# KiCad board AmigaPCI Mainboard.kicad_pcb (continued)
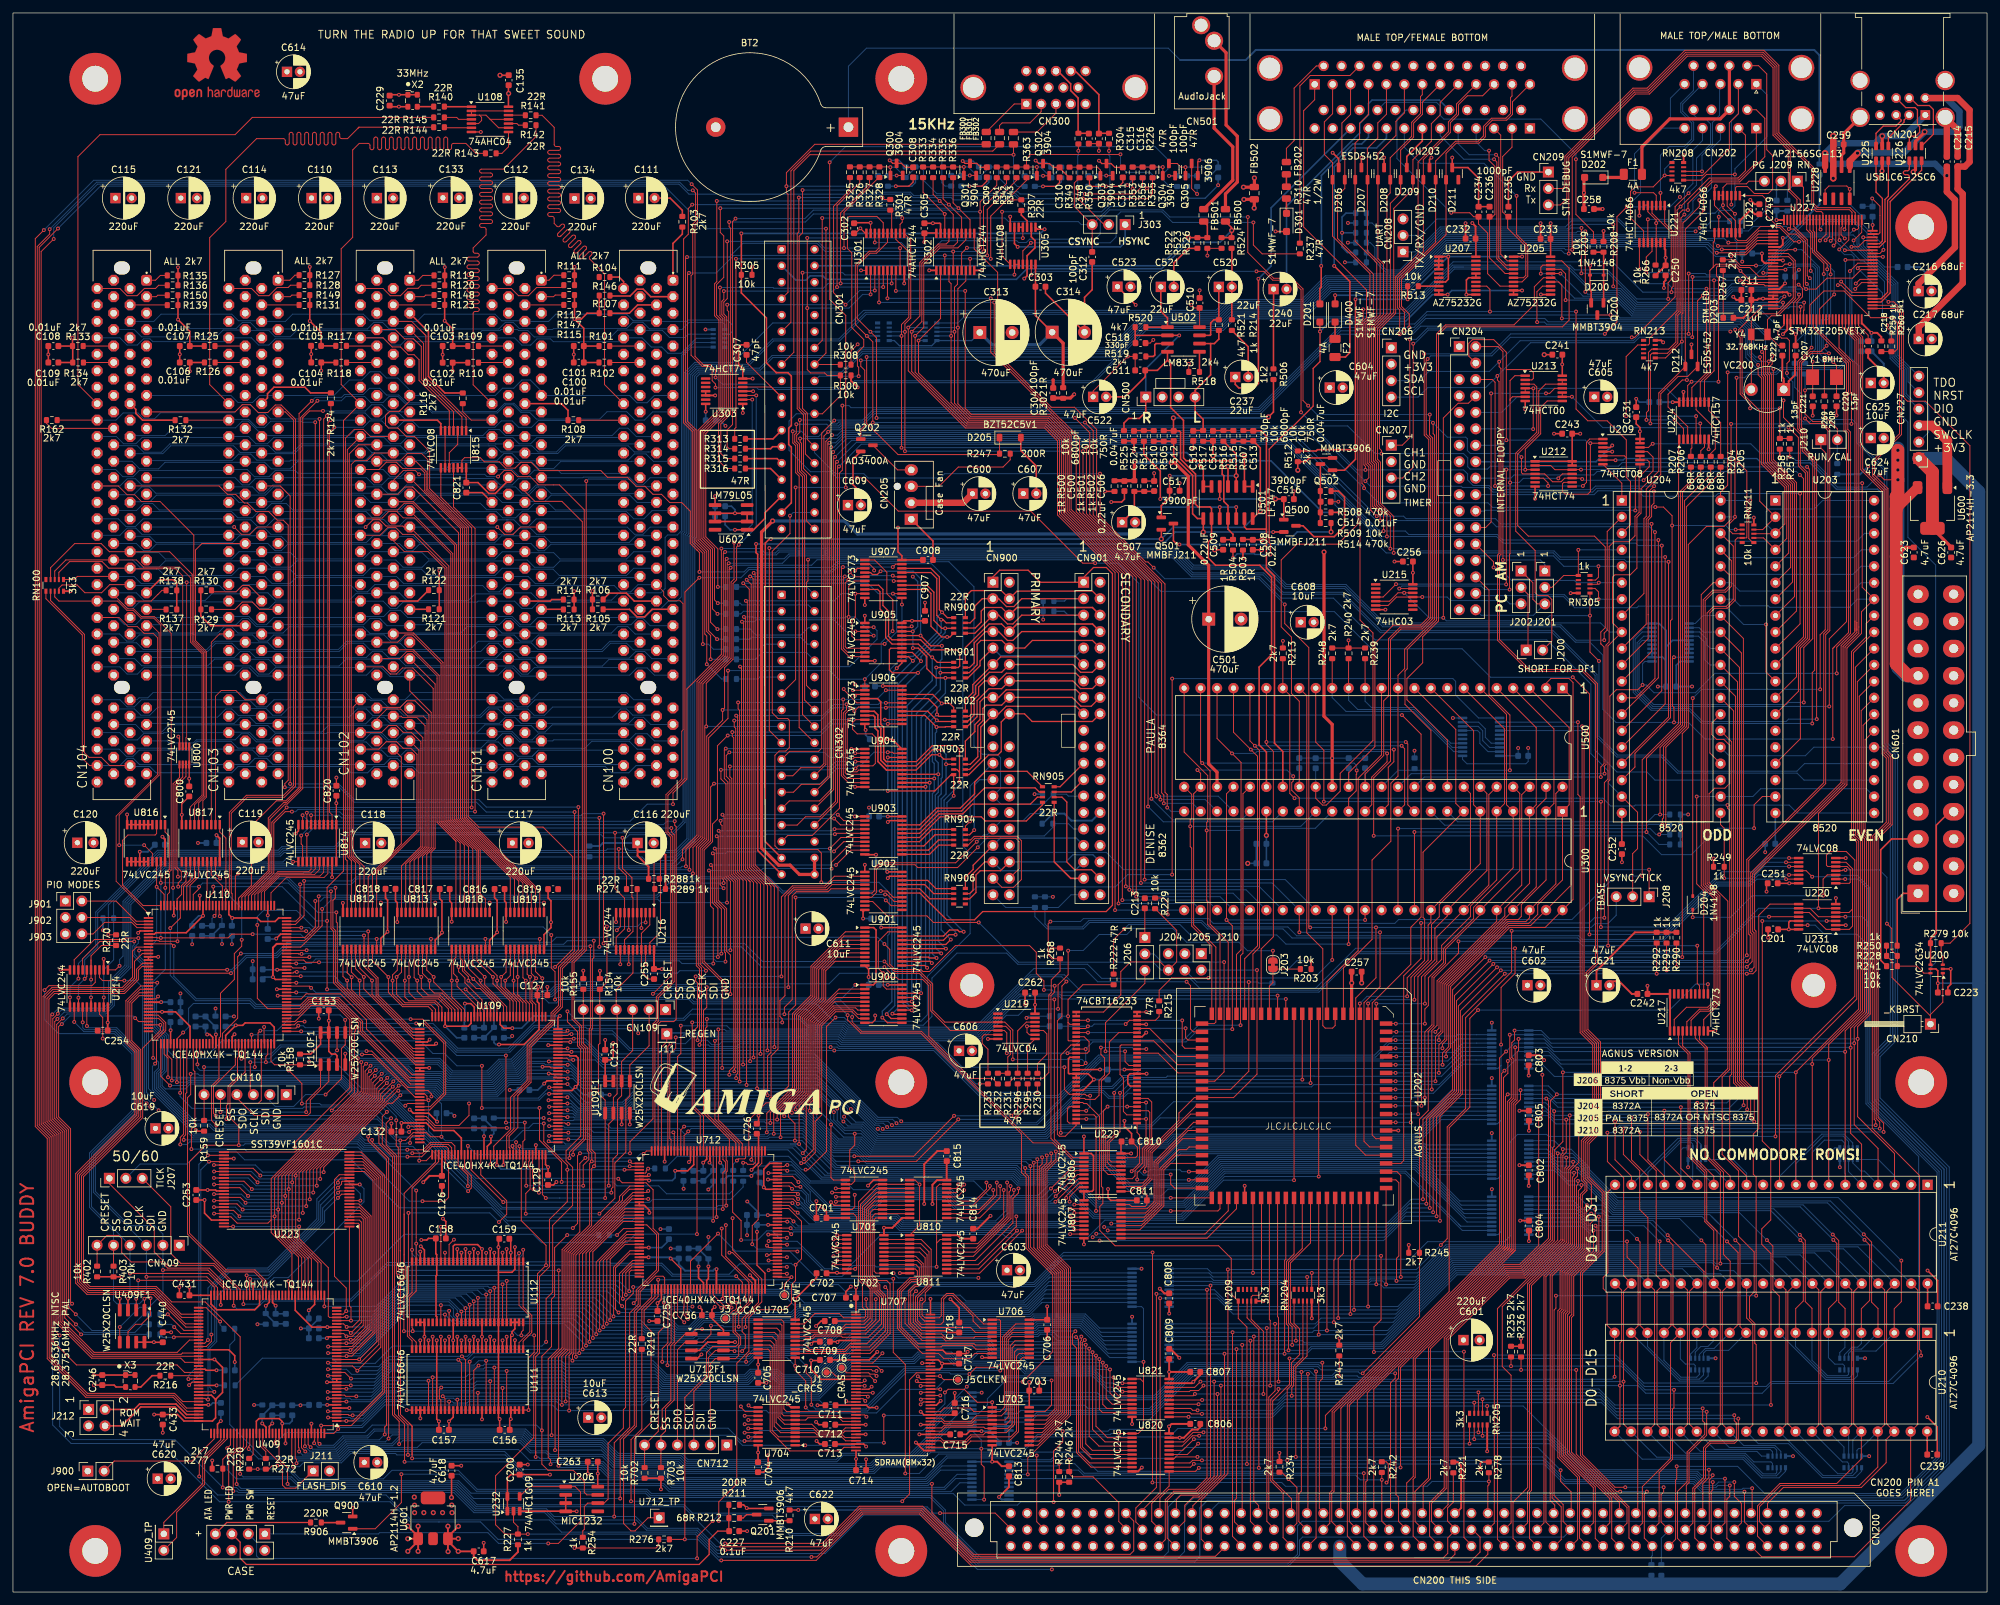
[diagram p0: board, top side]
## Nets (continued)
/ATA Interface/INTRQP: CN900.31 R901.1 U902.6
/ATA Interface/INTRQS: CN901.31 R902.1 U902.7
/ATA Interface/IRDY: CN900.27 CN901.27 R900.2 U815.12 U815.13
/Audio/_CIPLS0: U208.9 U208.17
/Audio/_CIPLS1: U208.8 U208.18
/Audio/_CIPLS2: U208.7 U208.19
/Audio/AUDLEFT: C513.2 R507.2 U500.31 U501.13
/Audio/AUDRIGHT: C512.2 R505.2 R506.2 U500.30 U501.9
/Chip Memory/LDB0: U704.9 U705.11 U707.31
/Chip Memory/LDB1: U704.8 U705.12 U707.33
/Chip Memory/LDB2: U704.7 U705.13 U707.34
/Chip Memory/LDB3: U704.6 U705.14 U707.36
/Chip Memory/LDB4: U704.5 U705.15 U707.37
/Chip Memory/LDB5: U704.4 U705.16 U707.39
/Chip Memory/LDB6: U704.3 U705.17 U707.40
/Chip Memory/LDB7: U704.2 U705.18 U707.42
/Chip Memory/LDB8: U703.2 U706.18 U707.56
/Chip Memory/LDB9: U703.3 U706.17 U707.54
/Chip Memory/LDB10: U703.4 U706.16 U707.53
/Chip Memory/LDB11: U703.5 U706.15 U707.51
/Chip Memory/LDB12: U703.6 U706.14 U707.50
/Chip Memory/LDB13: U703.7 U706.13 U707.48
/Chip Memory/LDB14: U703.8 U706.12 U707.47
/Chip Memory/LDB15: U703.9 U706.11 U707.45
/Chip RAM Controller/U712_CRESET: CN712.6 R702.2 U712.66
/Chip RAM Controller/U712_SCK: CN712.3 U216.12 U712.70 U712F1.6
/Chip RAM Controller/U712_SDI: CN712.2 U216.14 U712.67 U712F1.5
/Chip RAM Controller/U712_SDOA: CN712.4 U216.4 U712.68 U712F1.2
/Chip RAM Controller/U712_SS: CN712.5 R703.2 U216.18 U712.71 U712F1.1
/Clocks, ROM, USB/CLK33: R140.1 U108.1
/Clocks, ROM, USB/USB1A+: CN201.3 U225.6
/Clocks, ROM, USB/USB1A-: CN201.2 U225.4
/Clocks, ROM, USB/USB2A+: CN201.7 U226.6
/Clocks, ROM, USB/USB2A-: CN201.6 U226.4
/Floppy and Parallel/_CHNG: J201.2 RN305.6 U204.4
/Floppy and Parallel/_DCHNG: CN204.2 J201.1
/Floppy and Parallel/_DF1: J200.2 U213.3
/Floppy and Parallel/_DKWDB: CN204.22 U209.8
/Floppy and Parallel/_DKWEB: CN204.24 U213.11
/Floppy and Parallel/_DRDY: CN204.34 J201.3 J202.1
/Floppy and Parallel/_INUSE0: CN204.6 U209.1 U212.5
/Floppy and Parallel/_INUSE1: CN204.4 CN204.14 U209.2 U212.9 U213.2
/Floppy and Parallel/_IORST: R237.1 U305.11
/Floppy and Parallel/_MOTOR: CN204.16 U209.3
/Floppy and Parallel/_PCRDY: J202.3 U215.6 U215.11
/Floppy and Parallel/_RDY: J200.1 J202.2 RN305.2 U204.7
/Floppy and Parallel/_TRK0: CN204.26 RN305.3 U204.6
/Floppy and Parallel/_WPROT: CN204.28 RN305.4 U204.5
/Floppy and Parallel/INIT: CN203.16 R237.2
/Floppy and Parallel/LINEFEED: CN203.14 FB202.2
/Floppy and Parallel/SEL0: U212.3 U213.8 U215.4
/Floppy and Parallel/SEL1: U212.11 U213.1 U213.6 U215.13
/Floppy and Parallel/TICK: J207.2 J208.1
/HID and User Ports/_BACK0: U222.4 U224.14 U227.16
/HID and User Ports/_FORWARD0: U222.8 U224.11 U227.15
/HID and User Ports/_HIDEN: J209.3 R266.2 U221.5 U221.6 U221.12 U221.13 U222.5 U222.6 U222.13 U227.37
/HID and User Ports/_LEFT0: U221.11 U224.10 U227.17
/HID and User Ports/_RIGHT0: U221.8 U224.13 U227.18
/HID and User Ports/B0: CN202.2 RN208.7 U222.3
/HID and User Ports/B1: CN202.11 RN213.2 U224.5 U227.87
/HID and User Ports/BOOT0: J209.1 R202.2 U227.94
/HID and User Ports/CH1: CN207.1 U227.59
/HID and User Ports/CH2: CN207.3 U227.60
/HID and User Ports/CLKCAL: R269.1 U227.7
/HID and User Ports/CONS_RX: CN209.2 U227.78
/HID and User Ports/CONS_TX: CN209.3 U227.79
/HID and User Ports/DA16: U201.9 U227.90
/HID and User Ports/DA17: U201.8 U227.91
/HID and User Ports/DA18: U201.7 U227.92
/HID and User Ports/DA19: U201.6 U227.93
/HID and User Ports/DIO: CN227.4 U227.72
/HID and User Ports/F1: CN202.10 RN213.8 U224.2 U227.85
/HID and User Ports/FIR0: CN202.6 U222.2
/HID and User Ports/FOR0: CN202.1 RN208.6 U222.9
/HID and User Ports/HSCLKIN: C220.1 U227.12 Y1.1
/HID and User Ports/HSCLKOUT: C221.1 U227.13 Y1.2
/HID and User Ports/L0: CN202.3 RN208.8 U221.10
/HID and User Ports/L1: CN202.12 RN213.6 U224.3 U227.82
/HID and User Ports/LSCLKIN: C222.1 U227.8 Y4.1
/HID and User Ports/LSCLKOUT: U227.9 VC200.2 Y4.2
/HID and User Ports/MH0: R204.1 U224.12
/HID and User Ports/MH1: R206.1 U224.7
/HID and User Ports/MV0: R205.1 U224.9
/HID and User Ports/MV1: R207.1 U224.4
/HID and User Ports/NRST: CN227.5 U227.14
/HID and User Ports/POWER_LED: R267.2 U227.67
/HID and User Ports/PX0: CN202.5 U221.3
/HID and User Ports/PY0: CN202.9 U221.2
/HID and User Ports/R0: CN202.4 RN208.4 U221.9
/HID and User Ports/R1: CN202.13 RN213.7 U224.6 U227.84
/HID and User Ports/RX: CN208.2 U227.56
/HID and User Ports/SWCLK: CN227.2 U227.76
/HID and User Ports/TDO: CN227.6 U227.89
/HID and User Ports/TX: CN208.1 U227.55
/HID and User Ports/VMON3V3: R255.2 R256.1 U227.25
/HID and User Ports/VMON5: R263.2 R264.1 U227.23
/HID and User Ports/VMON5SB: R257.2 R258.1 U227.24
/HID and User Ports/VMON12: R261.2 R262.1 U227.33
/HID and User Ports/VMON-12: R259.2 R260.1 U227.34
/Master Control/J900: J900.2 U409.110
/Master Control/TP0: J409_TP0.1 U409.113
/Master Control/TP1: J409_TP0.2 U409.114
/Master Control/U409_CRESET: CN409.6 R402.2 U409.66
/Master Control/U409_SCK: CN409.3 U214.12 U409.70 U409F1.6
/Master Control/U409_SDI: CN409.2 U214.14 U409.67 U409F1.5
/Master Control/U409_SDOA: CN409.4 U214.4 U409.68 U409F1.2
/Master Control/U409_SS: CN409.5 R403.2 U214.18 U409.71 U409F1.1
/PCI Bridge/J901: JATA1.2 U110.2
/PCI Bridge/J902: JATA1.4 U110.3
/PCI Bridge/J903: JATA1.6 U110.4
/PCI Bridge/U109_CRESET: CN109.6 R155.2 U109.66
/PCI Bridge/U110_CRESET: CN110.6 R159.2 U110.66
/PCI Bus/_ACK64: CN100.B60 CN101.B60 CN102.B60 CN103.B60 CN104.B60 RN100.1
/PCI Bus/_INTA: CN100.A6 CN101.A6 CN102.A6 CN103.A6 CN104.A6 RN101.2 U815.1
/PCI Bus/_INTB: CN100.B7 CN101.B7 CN102.B7 CN103.B7 CN104.B7 RN101.9 U815.4
/PCI Bus/_INTC: CN100.A7 CN101.A7 CN102.A7 CN103.A7 CN104.A7 RN101.1 U815.2
/PCI Bus/_INTD: CN100.B8 CN101.B8 CN102.B8 CN103.B8 CN104.B8 RN101.8 U815.5
/PCI Bus/_REQ64: CN100.A60 CN101.A60 CN102.A60 CN103.A60 CN104.A60 RN100.2
/PCI Bus/SMBCLK0: CN100.A40 R106.2
/PCI Bus/SMBCLK1: CN101.A40 R114.2
/PCI Bus/SMBCLK2: CN102.A40 R122.2
/PCI Bus/SMBCLK3: CN103.A40 R130.2
/PCI Bus/SMBCLK4: CN104.A40 R138.2
/PCI Bus/SMBDAT0: CN100.A41 R105.2
/PCI Bus/SMBDAT1: CN101.A41 R113.2
/PCI Bus/SMBDAT2: CN102.A41 R121.2
/PCI Bus/SMBDAT3: CN103.A41 R129.2
/PCI Bus/SMBDAT4: CN104.A41 R137.2
/PCI Bus/TDI0: CN100.A4 R107.2
/PCI Bus/TDI1: CN101.A4 R115.2
/PCI Bus/TDI2: CN102.A4 R123.2
/PCI Bus/TDI3: CN103.A4 R131.2
/PCI Bus/TDI4: CN104.A4 R139.2
/PCI Bus/TMS0: CN100.A3 R146.2
/PCI Bus/TMS1: CN101.A3 R147.2
/PCI Bus/TMS2: CN102.A3 R148.2
/PCI Bus/TMS3: CN103.A3 R149.2
/PCI Bus/TMS4: CN104.A3 R150.2
/Power and Spares/_BTNRST: R254.1 U206.6 U220.1 U220.5
/Power and Spares/_KBRSTH: R228.2 R241.2 U200.6 U220.4
/Power and Spares/E_FANPWM: CN205.4 Q202.3
/Power and Spares/E_FANTACH: CN205.3 R247.1
/Serial/_RxD-IN: CN203.28 U205.2
/Serial/_TxD-OUT: C235.1 CN203.27 U205.6
/Serial/AUDIOOUT: C237.1 CN203.36
/Serial/CD: U203.7 U205.14
/Serial/CD-IN: CN203.33 U205.7
/Serial/CTS: U203.6 U205.18
/Serial/CTS-IN: CN203.30 U205.3
/Serial/DSR: U203.5 U205.17
/Serial/DSR-IN: CN203.31 U205.4
/Serial/DTR: U203.9 U205.13
/Serial/DTR-OUT: C234.1 CN203.45 U205.8
/Serial/PWRLED: R210.1 U209.6
/Serial/RI: CN203.47 R209.1
/Serial/RTS: U203.8 U205.16
/Serial/RTS-OUT: C236.1 CN203.29 U205.5
/Serial/SERAUD: C240.2 CN203.43
/Video/BLU0: RN301.1 U300.24 U302.11
/Video/BLU1: RN301.9 U300.25 U302.17
/Video/BLU2: RN301.8 U300.26 U302.15
/Video/BLU3: RN301.7 U300.27 U302.13
/Video/BUR: U300.18 U301.4
/Video/C4: C307.1 CN301.19 U303.5
/Video/GRN0: RN301.2 U300.28 U302.8
/Video/GRN1: RN301.3 U300.29 U302.6
/Video/GRN2: RN301.4 U300.30 U302.4
/Video/GRN3: RN301.6 U300.31 U302.2
/Video/PSW: U300.33 U301.6
/Video/RED0: RN302.8 U300.20 U301.11
/Video/RED1: RN302.9 U300.21 U301.13
/Video/RED2: RN302.3 U300.22 U301.15
/Video/RED3: RN302.2 U300.23 U301.17
_ADDRESSEN: U109.52 U111.29 U111.56 U112.29 U112.56
_AS: U202.24 U712.116
_AUTOVECTOR: CN200.b1 U409.115
_AWE: U202.21 U806.17
_BB: CN200.b8 R246.2 U809.11
_BG: CN200.c29 U110.78
_BHS: U203.19 U301.18
_BLS: U202.19 U712.113
_BR: CN200.a18 U231.13
_BRIDGEEN: U109.47 U110.63 U409.55
_BRST: U202.16 U209.11 U212.4 U212.10 U305.13 U500.11
_BUFEN: U409.121 U802.19 U803.19 U822.19 U823.19
_BURST: U109.16 U110.81
_BUSGRANT0: CN100.A17 U110.119
_BUSGRANT1: CN101.A17 U110.120
_BUSGRANT2: CN102.A17 U110.118
_BUSGRANT3: CN103.A17 U110.124
_BUSGRANT4: CN104.A17 U110.122
_BUSREQ0: U110.110 U814.18
_BUSREQ1: U110.113 U814.16
_BUSREQ2: U110.112 U814.17
_BUSREQ3: U110.115 U814.14
_BUSREQ4: U110.114 U814.15
_CASL: U229.5 U229.55 U806.15
_CASU: U229.2 U229.6 U806.14
_CBE0: CN100.A52 CN101.A52 CN102.A52 CN103.A52 CN104.A52 U817.2
_CBE1: CN100.B44 CN101.B44 CN102.B44 CN103.B44 CN104.B44 U817.3
_CBE2: CN100.B33 CN101.B33 CN102.B33 CN103.B33 CN104.B33 U817.5
_CBE3: CN100.B26 CN101.B26 CN102.B26 CN103.B26 CN104.B26 U817.6
_CCAS: J3.1 U707.18 U712.62
_CDACA: R215.1 U300.34
_CDACB: R294.1 U219.9 U219.11
_CIACS0: R273.2 U204.23
_CIACS1: R274.2 U203.23
_CIPL0: R239.2 U208.4 U500.13
_CIPL1: R240.2 U208.3 U500.14
_CIPL2: R248.2 U208.2 U500.15
_CLK7: R296.1 U712.135
_CLK40: R253.1 U208.11
_CLLBE: U707.28 U712.45
_CLMBE: U707.59 U712.75
_COMPSYNC: C312.1 CN301.14 J303.3 R348.1 R353.1 U301.12
_CONFIGEN: U109.24 U409.56
_CPUBUS: U109.32 U110.60
_CPULOCK: CN200.b18 R234.2 U809.15
_CPURST: CN200.c18 U231.3
_CRAS: J6.1 U707.19 U712.61
_CRCS: J1.1 U707.20 U712.60
_CS0A: U110.95 U903.8
_CS0B: U110.85 U903.5
_CS1A: U110.96 U903.9
_CS1B: U110.102 U903.4
_CSYNC: U202.80 U300.32 U301.8
_CUMBE: U707.16 U712.74
_CUTOFF: R513.1 U207.8
_CUUBE: U707.71 U712.85
_CWE: J4.1 U707.17 U712.73
_DATARDY: CN200.b3 U109.29 U712.3
_DBEN: U705.19 U706.19 U712.42
_DBR: U202.20 U806.18
_DEVSEL: CN100.B37 CN101.B37 CN102.B37 CN103.B37 CN104.B37 RN100.6 U800.2
_DIORA: U110.97 U903.7
_DIORB: U110.101 U903.3
_DIOWA: U110.94 U903.6
_DIOWB: U110.99 U903.2
_DKRD: CN204.30 R225.2 U500.37
_DKWD: U209.9 U209.10 U500.38
_DRDEN: U712.110 U810.19 U811.19
_FEN: U223.26 U409.95
_FIR0: D212.2 U204.8 U222.1 U227.63
_FIR1: CN202.15 CN302.19 D212.1 U202.78 U204.9 U227.86
_FRAME: CN100.A34 CN101.A34 CN102.A34 CN103.A34 CN104.A34 RN100.9 U817.7
_FRDEN: U223.28 U409.96
_FRST: U223.12 U409.61
_FWP: U223.14 U409.99
_FWREN: U223.11 U409.60
_HSYNC: CN301.22 R300.1 U202.81 U301.2 U305.4 U305.5
_IDEEN: U110.12 U409.90
_IDEHREN: U110.90 U906.1 U907.1
_IDEHWEN: U110.98 U904.19 U905.19
_IDELATCH: U110.87 U906.11 U907.11
_IDELEN: U110.88 U900.19 U901.19
_INDEX: CN204.8 RN305.1 U203.24 U215.5 U215.12
_INT2: U220.8 U500.16
_INT2A: CN200.c13 R249.2 U204.21 U220.9
_INT2B: U110.121 U220.10
_INT3: U202.17 U500.17
_INT6: CN200.b30 R213.2 U203.21 U500.18
_IPL0: CN200.c34 U208.12
_IPL1: CN200.c35 U208.13
_IPL2: CN200.b36 U208.14
_IRDY: CN100.B35 CN101.B35 CN102.B35 CN103.B35 CN104.B35 RN100.8 U817.8
_KBCLK: RN211.6 U204.40 U227.66
_KBRST: CN210.1 R228.1 R250.1 U200.1 U227.64
_LBCEN: CN200.a4 U409.112
_LDS: U229.49 U229.53 U712.117
_LED: CN302.31 U204.3 U207.13 U209.5
_LLBE: U110.41 U712.124
_LMBE: U110.39 U712.122
_LVAWE: U712.136 U806.3
_LVBB: U110.48 U809.9
_LVBR: U110.56 U231.11
_LVCASL: U712.105 U806.5
_LVCASU: U712.104 U806.6
_LVCBE0: U110.125 U817.18
_LVCBE1: U110.130 U817.17
_LVCBE2: U110.135 U817.15
_LVCBE3: U110.136 U817.14
_LVCPULOCK: U110.43 U809.5
_LVDBR: U712.138 U806.2
_LVDEVSEL: U109.10 U110.134 U800.7
_LVFRAME: U110.137 U817.13
_LVIRDY: U109.11 U110.139 U817.12
_LVPERR: U109.37 U110.143 U816.18
_LVRAS0: U712.87 U807.9
_LVRAS1: U712.88 U807.8
_LVSTOP: U109.38 U809.6
_LVSYSERR: CN100.B42 CN101.B42 CN102.B42 CN103.B42 CN104.B42 RN101.6 U110.1
_LVTRDY: U109.12 U800.6
_LVTS: U109.20 U109.33 U110.21 U409.134 U712.137 U809.7
_MC1: R231.1 R268.1 U224.1
_MTR: U203.17 U212.2 U212.12
_PACK: CN203.10 CN302.20 RN211.4 U204.24
_PCIBUFEN: U110.7 U812.19 U813.19 U816.19 U817.19 U818.19 U819.19
_PCICYCLE: U109.18 U110.79
_PCIEN: U109.31 U110.26
_PCIINT: U110.117 U815.8
_PCIINTEN: U109.22 U110.62
_PCIRST: CN100.A15 CN101.A15 CN102.A15 CN103.A15 CN104.A15 U109.128
_PCITIP: U109.26 U110.138
_PERR: CN100.B40 CN101.B40 CN102.B40 CN103.B40 CN104.B40 RN100.3 U816.2
_PLOCK: CN100.B39 CN101.B39 CN102.B39 CN103.B39 CN104.B39 RN101.7 U110.142
_RAMEN: J203.1 U712.139
_RAMSPACE: U409.48 U712.130
_RAS0: U202.57 U807.11
_RAS1: U202.56 U807.12
_REGEN: J11.1 U202.23 U712.141
_REGSPACE: U409.120 U712.41
_REQ0: CN100.B18 R108.1 U814.2
_REQ1: CN101.B18 R116.1 U814.4
_REQ2: CN102.B18 R124.1 U814.3
_REQ3: CN103.B18 R132.1 U814.6
_REQ4: CN104.B18 R162.1 U814.5
_RESETA: CN200.b35 U231.8 U409.62 U712.94
_RESETB: U109.25 U110.42 U203.34 U204.34 U209.12 U231.6 U902.5
_ROMEN: R272.2 U210.20 U211.20
_RSTOUT: CN200.c41 U220.2 U231.4 U231.9
_RTCEN: R275.2 U201.19 U227.35
_RxD: U205.19 U500.41
_SEL0: CN204.10 U203.13 U213.9 U213.10
_SEL1: CN204.12 U203.14 U213.4 U213.5
_SIDE: CN204.32 U203.12
_SPIAEN: CN200.a3 R292.2 U227.46
_SPIBEN: CN200.c2 R291.2 U227.45
_SPICEN: CN200.b2 R290.2 U227.44
_STEP: CN204.20 U203.10
_STMRST: D204.2 J210.1
_STOP: CN100.A38 CN101.A38 CN102.A38 CN103.A38 CN104.A38 RN100.4 U809.14
_TACK: CN200.b28 R221.2 U109.21 U109.23 U110.75 U110.93 U409.119 U712.7
_TBI: CN200.a30 R278.2 U109.19 U110.34 U409.118 U712.39
_TCI: CN200.c30 R276.2 U110.33 U409.117 U712.64
_TEA: CN200.c28 R277.2 U110.10 U409.116
_TRDY: CN100.A36 CN101.A36 CN102.A36 CN103.A36 CN104.A36 RN100.7 U800.3
_TS: CN200.b24 R242.2 U809.13
_TxD: U205.15 U500.40
_U109EN: R288.2 U216.19 U227.3
_U110EN: R287.2 U214.19 U227.2
_U409EN: R286.2 U214.1 U227.5
_U712EN: R289.2 U216.1 U227.4
_UDS: U229.52 U229.56 U712.118
_UMBE: U110.38 U712.121
_UUBE: U110.37 U712.125
_VBEN: U701.19 U702.19 U703.19 U704.19 U712.44
_VC1: CN301.34 R232.1
_VC3: CN302.17 R233.1 U303.2
_VSYNC: CN301.26 J208.3 U202.79 U305.9 U305.10
_WLATCHEN: U109.44 U110.11
_XCLKEN: CN301.16 R308.1 U409.102
A0: CN200.b10 RN209.3 U820.11
A1: CN200.a11 RN209.4 U202.60 U821.16
A2: CN200.b11 RN206.6 U202.61 U210.21 U211.21 U227.47 U821.17
A3: CN200.c11 RN206.7 U202.62 U210.22 U211.22 U227.48 U821.18
A4: CN200.a12 RN206.8 U202.63 U210.23 U211.23 U227.51 U804.18
A5: CN200.b15 RN206.9 U202.64 U210.24 U211.24 U227.52 U804.17
A6: CN200.a15 RN206.1 U202.65 U210.25 U211.25 U804.16
A7: CN200.b16 RN206.2 U202.66 U210.26 U211.26 U804.15
A8: CN200.a16 RN206.3 U202.67 U210.27 U211.27 U217.3 U804.14
A9: CN200.c15 RN206.4 U202.68 U210.28 U211.28 U217.8 U804.13
A10: CN200.b17 RN207.6 U202.69 U210.29 U211.29 U217.4 U804.12
A11: CN200.a17 RN207.7 U202.70 U210.31 U211.31 U217.7 U804.11
A12: CN200.a9 RN207.8 U202.71 U210.32 U211.32 U805.18
A13: CN200.b9 RN207.9 U202.72 U210.33 U211.33 U805.17
A14: CN200.a10 RN207.1 U202.73 U210.34 U211.34 U805.16
A15: CN200.c10 RN207.2 U202.74 U210.35 U211.35 U805.15
A16: CN200.c47 RN207.3 U202.75 U210.36 U211.36 U805.14
A17: CN200.b47 RN207.4 U202.76 U210.37 U211.37 U805.13
A18: CN200.a47 RN204.7 U202.77 U210.38 U211.38 U805.12
A19: CN200.c46 RN204.6 U202.59 U210.39 U211.39 U805.11
A20: CN200.b46 RN209.1 U229.23 U820.12
A21: CN200.c45 RN204.4 U820.14
A22: CN200.a42 RN204.3 U821.14
A23: CN200.a46 RN204.1 U820.13
A24: CN200.a43 RN205.1 U821.11
A25: CN200.b45 RN205.6 U820.15
A26: CN200.b42 RN205.2 U821.13
A27: CN200.c44 RN205.7 U820.16
A28: CN200.c42 RN205.3 U821.15
A29: CN200.c43 RN205.4 U821.12
A30: CN200.b43 RN205.8 U820.18
A31: CN200.b44 RN205.9 U820.17
AD0: CN100.A58 CN101.A58 CN102.A58 CN103.A58 CN104.A58 U812.4
AD1: CN100.B58 CN101.B58 CN102.B58 CN103.B58 CN104.B58 U812.3
AD2: CN100.A57 CN101.A57 CN102.A57 CN103.A57 CN104.A57 U812.2
AD3: CN100.B56 CN101.B56 CN102.B56 CN103.B56 CN104.B56 U813.9
AD4: CN100.A55 CN101.A55 CN102.A55 CN103.A55 CN104.A55 U813.8
AD5: CN100.B55 CN101.B55 CN102.B55 CN103.B55 CN104.B55 U813.6
AD6: CN100.A54 CN101.A54 CN102.A54 CN103.A54 CN104.A54 U813.7
AD7: CN100.B53 CN101.B53 CN102.B53 CN103.B53 CN104.B53 U813.5
AD8: CN100.B52 CN101.B52 CN102.B52 CN103.B52 CN104.B52 U812.5
AD9: CN100.A49 CN101.A49 CN102.A49 CN103.A49 CN104.A49 U813.4
AD10: CN100.B48 CN101.B48 CN102.B48 CN103.B48 CN104.B48 U813.3
AD11: CN100.A47 CN101.A47 CN102.A47 CN103.A47 CN104.A47 U813.2
AD12: CN100.B47 CN101.B47 CN102.B47 CN103.B47 CN104.B47 U818.9
AD13: CN100.A46 CN101.A46 CN102.A46 CN103.A46 CN104.A46 U818.8
AD14: CN100.B45 CN101.B45 CN102.B45 CN103.B45 CN104.B45 U818.7
AD15: CN100.A44 CN101.A44 CN102.A44 CN103.A44 CN104.A44 U818.6
AD16: CN100.A32 CN101.A32 CN102.A32 CN103.A32 CN104.A32 U818.5
AD17: CN100.B32 CN101.B32 CN102.B32 CN103.B32 CN104.B32 U818.4
AD18: CN100.A31 CN101.A31 CN102.A31 CN103.A31 CN104.A31 U818.3
AD19: CN100.B30 CN101.B30 CN102.B30 CN103.B30 CN104.B30 U818.2
AD20: CN100.A29 CN101.A29 CN102.A29 CN103.A29 CN104.A29 U819.9
AD21: CN100.B29 CN101.B29 CN102.B29 CN103.B29 CN104.B29 U819.8
AD22: CN100.A28 CN101.A28 CN102.A28 CN103.A28 CN104.A28 U819.7
AD23: CN100.B27 CN101.B27 CN102.B27 CN103.B27 CN104.B27 U819.6
AD24: CN100.A25 CN101.A25 CN102.A25 CN103.A25 CN104.A25 U819.5
AD25: CN100.B24 CN101.B24 CN102.B24 CN103.B24 CN104.B24 U819.4
AD26: CN100.A23 CN101.A23 CN102.A23 CN103.A23 CN104.A23 U819.3
AD27: CN100.B23 CN101.B23 CN102.B23 CN103.B23 CN104.B23 U819.2
AD28: CN100.A22 CN101.A22 CN102.A22 CN103.A22 CN104.A22 U812.6
AD29: CN100.B21 CN101.B21 CN102.B21 CN103.B21 CN104.B21 U812.7
AD30: CN100.A20 CN101.A20 CN102.A20 CN103.A20 CN104.A20 U812.9
AD31: CN100.B20 CN101.B20 CN102.B20 CN103.B20 CN104.B20 U812.8
AGNUS_REV: U712.114 U902.12
AgnusCLK: R217.1 U202.34
AREV: AGNUS1.6 R229.2 U229.29 U229.30 U902.8
ATA_LED: CN_CASE1.7 R906.2
AUDIN: C240.1 R506.1
AUDIO: C202.2 C203.2 C204.2 C205.2 C506.2 C507.2 C508.2 C509.1 C510.2 C511.1 C514.2 C516.2 C517.2 C518.1 C519.1 C522.1 C523.2 CN302.34 CN302.36 CN500.2 CN500.3 FB502.1 R502.2 R518.2 R519.2 R523.1 R526.1 U500.34
AUDOUT: C520.2 R214.1 R524.2
B0: R313.2 R363.1 U302.9
B1: R323.2 R343.1 U302.3
B2: R324.2 R342.1 U302.5
B3: R314.2 R341.1 U302.7
BLUE: CN301.15 FB302.2 R347.2
BURST: CN301.18 U301.16
C1: U219.3 U229.38 U229.42 U300.36 U500.28 U814.8
C3: U219.5 U229.35 U229.39 U500.29 U814.7
CBANK0: U707.22 U712.52
CBANK1: U707.23 U712.20
CCLKE: J5.1 U707.67 U712.84
CDAC: R295.1 U712.134
CDONE: CN200.b29 R227.1 U109.65 U110.65 U232.2 U409.65 U712.65
CIAA8: U203.38 U204.38 U217.9
CIAA9: U203.37 U204.37 U217.6
CIAA10: U203.36 U204.36 U217.5
CIAA11: U203.35 U204.35 U217.2
CIAADL: R293.2 U217.11
CIAR_W: U203.22 U204.22 U217.12
CLK7: R222.1 U300.35
CLK28: R216.1 U409.94
CLK40A: CN200.a35 U712.49
CLK40B: R251.2 U109.49
CLK40C: R218.2 U206.7 U409.129
CLK40D: R252.2 U110.49
CLKCIA: R220.2 U203.25 U204.25
CLKPCI0: CN100.B16 R141.1
CLKPCI1: CN101.B16 R142.1
CLKPCI2: CN102.B16 R143.1 U109.129 U110.129
CLKPCI3: CN103.B16 R144.1
CLKPCI4: CN104.B16 R145.1
CMA0: U707.25 U712.55
CMA1: U707.26 U712.48
CMA2: U707.27 U712.47
CMA3: U707.60 U712.76
CMA4: U707.61 U712.78
CMA5: U707.62 U712.79
CMA6: U707.63 U712.80
CMA7: U707.64 U712.81
CMA8: U707.65 U712.82
CMA9: U707.66 U712.83
CMA10: U707.24 U712.56
COMPVID: CN302.13 R362.2
D0: CN200.a39 RN200.6 U210.19 U802.18
D1: CN200.c38 RN200.7 U210.18 U802.17
D2: CN200.a38 RN200.8 U210.17 U802.16
D3: CN200.b39 RN200.9 U210.16 U802.15
D4: CN200.b38 RN200.1 U210.15 U802.14
D5: CN200.c37 RN200.2 U210.14 U802.13
D6: CN200.b37 RN200.3 U210.13 U802.12
D7: CN200.c36 RN200.4 U210.12 U802.11
D8: CN200.a34 RN201.6 U210.10 U803.18
D9: CN200.b34 RN201.7 U210.9 U803.17
D10: CN200.c33 RN201.8 U210.8 U803.16
D11: CN200.b33 RN201.9 U210.7 U803.15
D12: CN200.c32 RN201.1 U210.6 U803.14
D13: CN200.c31 RN201.2 U210.5 U803.13
D14: CN200.c27 RN201.3 U210.4 U803.12
D15: CN200.b27 RN201.4 U210.3 U803.11
D16: CN200.b32 RN202.9 U201.11 U204.33 U211.19 U822.18
D17: CN200.a27 RN202.8 U201.12 U204.32 U211.18 U822.17
D18: CN200.b31 RN202.7 U201.13 U204.31 U211.17 U822.16
D19: CN200.b26 RN202.6 U201.14 U204.30 U211.16 U822.15
D20: CN200.a25 RN202.4 U204.29 U211.15 U822.14
D21: CN200.c22 RN202.3 U204.28 U211.14 U822.13
D22: CN200.b25 RN202.2 U204.27 U211.13 U822.12
D23: CN200.c26 RN202.1 U204.26 U211.12 U822.11
D24: CN200.b21 RN203.9 U203.33 U211.10 U823.18
D25: CN200.a26 RN203.8 U203.32 U211.9 U823.17
D26: CN200.a21 RN203.7 U203.31 U211.8 U823.16
D27: CN200.b23 RN203.6 U203.30 U211.7 U823.15
D28: CN200.b20 RN203.4 U203.29 U211.6 U823.14
D29: CN200.a23 RN203.3 U203.28 U211.5 U823.13
D30: CN200.b22 RN203.2 U203.27 U211.4 U823.12
D31: CN200.a22 RN203.1 U203.26 U211.3 U823.11
DA0: U712.129 U902.3
DA1: U712.128 U902.2
DA2: U712.120 U902.4
DATADIR: U110.9 U802.1 U803.1 U822.1 U823.1
DBDIR: U705.1 U706.1 U712.43
DIR: CN204.18 U203.11
DKWE: U213.12 U213.13 U500.39
DMA: U110.55 U804.1 U805.1 U808.1 U809.1 U817.1 U820.1 U821.1
DMAL: U202.18 U500.12
DRA0-G: AGNUS1.2 U202.42 U806.13
DRA1-0: U202.43 U806.12
DRA2-1: U202.44 U806.11
DRA3-2: U202.45 U807.18
DRA4-3: U202.46 U807.17
DRA5-4: U202.47 U807.16
DRA6-5: U202.48 U807.15
DRA7-6: U202.49 U807.14
DRA8-7: U202.50 U807.13
DRA9-8: U229.37 U806.16
DRD0: U202.14 U300.7 U500.10 U810.18
DRD1: U202.13 U300.6 U500.9 U810.17
DRD2: U202.12 U300.5 U500.7 U810.16
DRD3: U202.11 U300.4 U500.6 U810.15
DRD4: U202.10 U300.3 U500.5 U810.14
DRD5: U202.9 U300.2 U500.4 U810.13
DRD6: U202.8 U300.1 U500.3 U810.12
DRD7: U202.7 U300.48 U500.2 U810.11
DRD8: U202.6 U300.47 U500.1 U811.18
DRD9: U202.5 U300.46 U500.48 U811.17
DRD10: U202.4 U300.45 U500.47 U811.16
DRD11: U202.3 U300.44 U500.46 U811.15
DRD12: U202.2 U300.43 U500.45 U811.14
DRD13: U202.1 U300.42 U500.44 U811.13
DRD14: U202.84 U300.41 U500.43 U811.12
DRD15: U202.83 U300.40 U500.42 U811.11
DRDDIR: U712.107 U810.1 U811.1
FANPWM: Q202.1 U227.95
FANTACH: D205.1 R247.2 U227.96
FBANK0: U223.16 U409.85
FBANK1: U223.9 U409.84
FLTLEFT: CN301.3 FB500.1 R524.1 R526.2
FLTRIGHT: CN301.4 FB501.1 R522.1 R523.2
FRDY: U223.15 U409.101
G0: R320.2 R336.1 U302.12
G1: R321.2 R335.1 U302.14
G2: R322.2 R334.1 U302.16
G3: R315.2 R333.1 U302.18
GREEN: CN301.11 FB301.2 R340.2
ICLK7: R238.1 U219.13
IDEDIR: U110.84 U900.1 U901.1
IDSEL0: CN100.A26 U109.48
IDSEL1: CN101.A26 U109.61
IDSEL2: CN102.A26 U109.55
IDSEL3: CN103.A26 U109.60
IDSEL4: CN104.A26 U109.56
INTRP: U110.106 U902.14
INTRS: U110.107 U902.13
IORDY: U110.116 U815.11
KBData: RN211.3 U204.39 U227.65
LATCHAD: U110.76 U111.2 U111.27 U112.2 U112.27
LBC: CN200.c14 U409.130
LVA0: U110.73 U712.12 U820.9
LVA1: U110.74 U223.25 U409.144 U712.10 U821.4
LVA2: U111.38 U223.24 U409.143 U712.8 U821.3
LVA3: U111.40 U223.23 U409.1 U712.9 U821.2
LVA4: U111.41 U223.22 U409.18 U712.15 U804.2
LVA5: U111.42 U223.21 U409.19 U712.16 U804.3
LVA6: U112.37 U223.20 U409.20 U712.17 U804.4
LVA7: U112.38 U223.19 U409.21 U712.18 U804.5
LVA8: U112.36 U223.18 U409.22 U712.19 U804.6
LVA9: U112.40 U223.8 U409.23 U712.22 U804.7
LVA10: U112.41 U223.7 U409.24 U712.23 U804.8
LVA11: U112.42 U223.6 U409.25 U712.24 U804.9
LVA12: U112.43 U223.5 U409.26 U712.25 U805.2
LVA13: U112.44 U223.4 U409.28 U712.26 U805.3
LVA14: U112.45 U223.3 U409.29 U712.28 U805.4
LVA15: U112.47 U223.2 U409.31 U712.29 U805.5
LVA16: U112.48 U223.1 U409.32 U712.31 U805.6
LVA17: U112.49 U223.48 U409.33 U712.32 U805.7
LVA18: U112.51 U223.17 U409.34 U712.33 U805.8
LVA19: U112.52 U409.37 U712.34 U805.9
LVA20: U111.43 U409.17 U712.11 U820.8
LVA21: U111.44 U409.15 U820.6
LVA22: U111.45 U409.3 U821.6
LVA23: U111.47 U409.16 U820.7
LVA24: U111.48 U409.8 U821.9
LVA25: U111.49 U409.12 U820.5
LVA26: U111.51 U409.4 U821.7
LVA27: U111.52 U409.11 U820.4
LVA28: U111.37 U409.2 U821.5
LVA29: U111.36 U409.7 U821.8
LVA30: U111.33 U409.9 U820.2
LVA31: U111.34 U409.10 U820.3
LVAD0: U109.2 U110.104 U812.16
LVAD1: U109.1 U110.105 U812.17
LVAD2: U109.144 U111.19 U812.18
LVAD3: U109.143 U111.17 U813.11
LVAD4: U109.142 U111.16 U813.12
LVAD5: U109.139 U111.15 U813.14
LVAD6: U109.141 U112.20 U813.13
LVAD7: U109.138 U112.19 U813.15
LVAD8: U109.3 U112.21 U812.15
LVAD9: U109.137 U112.17 U813.16
LVAD10: U109.136 U112.16 U813.17
LVAD11: U109.135 U112.15 U813.18
LVAD12: U109.134 U112.14 U818.11
LVAD13: U109.130 U112.13 U818.12
LVAD14: U109.125 U112.12 U818.13
LVAD15: U109.124 U112.10 U818.14
LVAD16: U109.122 U112.9 U818.15
LVAD17: U109.121 U112.8 U818.16
LVAD18: U109.120 U112.6 U818.17
LVAD19: U109.119 U112.5 U818.18
LVAD20: U109.118 U111.14 U819.11
LVAD21: U109.117 U111.13 U819.12
LVAD22: U109.116 U111.12 U819.13
LVAD23: U109.115 U111.10 U819.14
LVAD24: U109.114 U111.9 U819.15
LVAD25: U109.113 U111.8 U819.16
LVAD26: U109.112 U111.6 U819.17
LVAD27: U109.110 U111.5 U819.18
LVAD28: U109.4 U111.20 U812.14
LVAD29: U109.7 U111.21 U812.13
LVAD30: U109.9 U111.24 U812.11
LVAD31: U109.8 U110.91 U111.23 U812.12
LVC1: U712.142 U814.12
LVC3: U712.143 U814.13
LVD0: U109.62 U704.11 U802.2 U900.9
LVD1: U109.63 U704.12 U802.3 U900.7
LVD2: U109.64 U704.13 U802.4 U900.5
LVD3: U109.73 U704.14 U802.5 U900.3
LVD4: U109.74 U704.15 U802.6 U901.8
LVD5: U109.75 U704.16 U802.7 U901.6
LVD6: U109.76 U704.17 U802.8 U901.4
LVD7: U109.78 U704.18 U802.9 U901.2
LVD8: U109.79 U703.18 U803.2 U901.3
LVD9: U109.80 U703.17 U803.3 U901.5
LVD10: U109.81 U703.16 U803.4 U901.7
LVD11: U109.82 U703.15 U803.5 U901.9
LVD12: U109.83 U703.14 U803.6 U900.2
LVD13: U109.84 U703.13 U803.7 U900.4
LVD14: U109.85 U703.12 U803.8 U900.6
LVD15: U109.87 U703.11 U803.9 U900.8
LVD16: U109.88 U223.29 U701.11 U822.2 U905.9 U907.19
LVD17: U109.90 U223.31 U701.12 U822.3 U905.7 U907.15
LVD18: U109.91 U223.33 U701.13 U822.4 U905.5 U907.9
LVD19: U109.93 U223.35 U701.14 U822.5 U905.3 U907.5
LVD20: U109.94 U223.38 U701.15 U822.6 U904.8 U906.16
LVD21: U109.95 U223.40 U701.16 U822.7 U904.6 U906.12
LVD22: U109.96 U223.42 U701.17 U822.8 U904.4 U906.6
LVD23: U109.97 U223.44 U701.18 U822.9 U904.2 U906.2
LVD24: U109.98 U223.30 U409.38 U702.11 U823.2 U904.3 U906.5